# Allegro board FEE5_10_30.brd (continued)
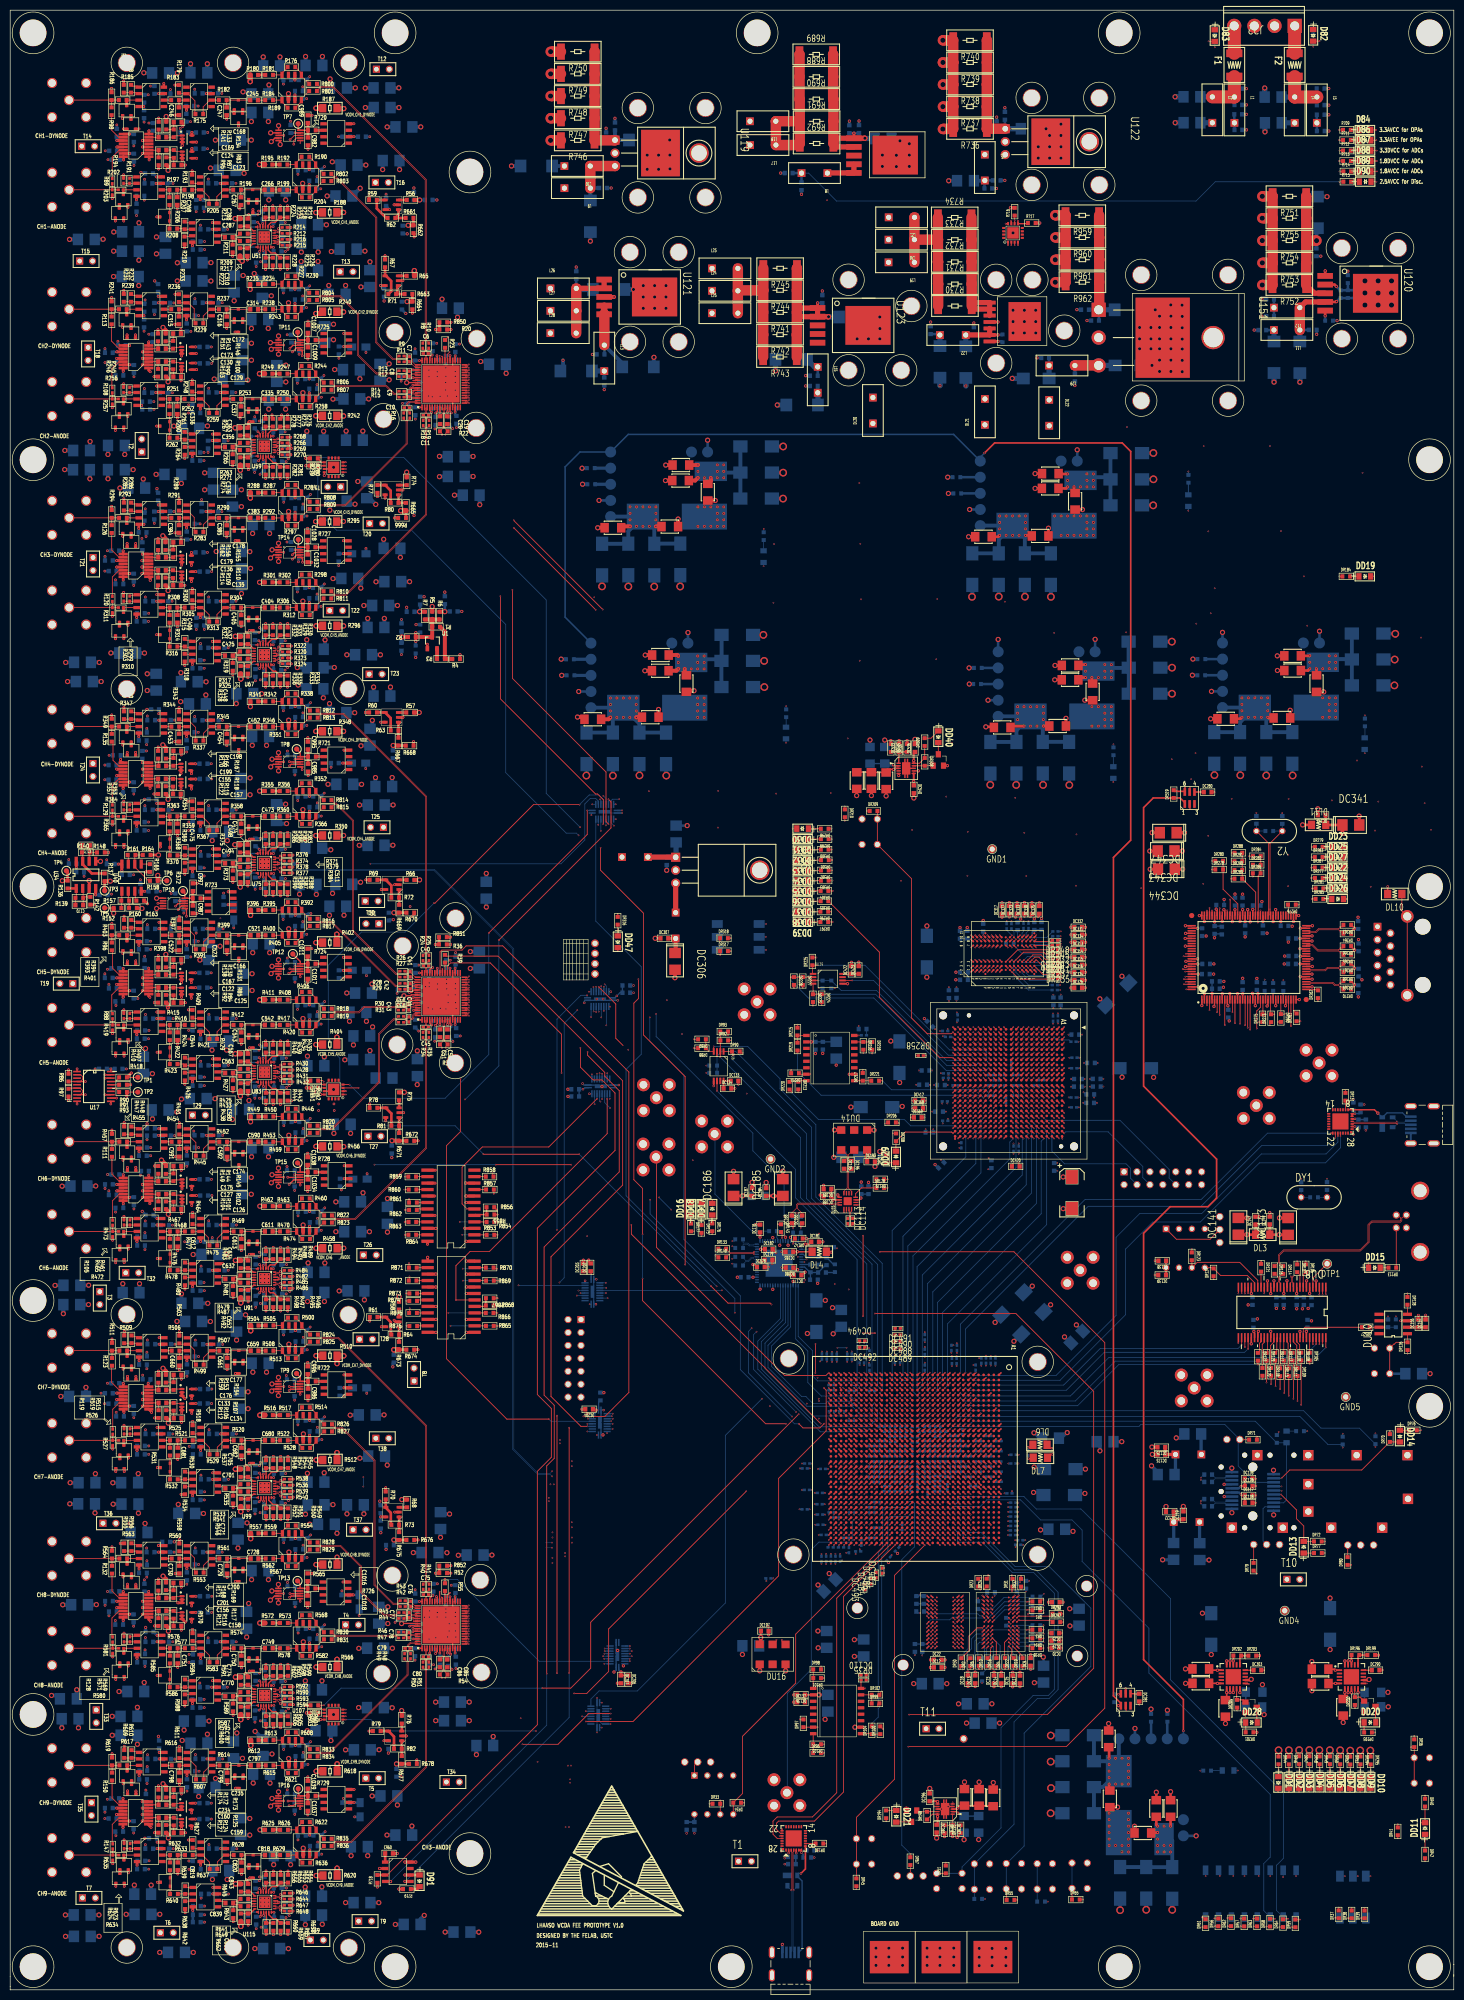
[diagram p0: board, top side]
## Nets (continued)
A7_CCLK: DR35.2 DU4.W11(CCLK_0) DU7.16(C)
A7_CLK_125M_N: DR69.2 DU4.AF5(IO_L12N_T1_MRCC_33) DU15.1(Q1)
A7_CLK_125M_P: DR69.1 DU4.AE5(IO_L12P_T1_MRCC_33) DU15.2(/Q1)
A7_CLK_200M_N: DR66.1 DU4.Y31(IO_L12N_T1_MRCC_14) DU16.4(OUT+)
A7_CLK_200M_P: DR66.2 DU4.Y30(IO_L12P_T1_MRCC_14) DU16.5(OUT-)
A7_DDR3_A0: DR15.2 DU1.K3(A0) DU2.K3(A0) DU4.U25(IO_L3P_T0_DQS_AD1P_15)
A7_DDR3_A1: DR4.2 DU1.L7(A1) DU2.L7(A1) DU4.N24(IO_L4N_T0_15)
A7_DDR3_A2: DR16.2 DU1.L3(A2) DU2.L3(A2) DU4.T28(IO_L9P_T1_DQS_AD3P_15)
A7_DDR3_A3: DR5.2 DU1.K2(A3) DU2.K2(A3) DU4.U26(IO_L5P_T0_AD9P_15)
A7_DDR3_A4: DR17.2 DU1.L8(A4) DU2.L8(A4) DU4.M32(IO_L17N_T2_A25_15)
A7_DDR3_A5: DR6.2 DU1.L2(A5) DU2.L2(A5) DU4.U27(IO_L5N_T0_AD9N_15)
A7_DDR3_A6: DR18.2 DU1.M8(A6) DU2.M8(A6) DU4.M31(IO_L15N_T2_DQS_ADV_B_15)
A7_DDR3_A7: DR7.2 DU1.M2(A7) DU2.M2(A7) DU4.T27(IO_L7P_T1_AD2P_15)
A7_DDR3_A8: DR19.2 DU1.N8(A8) DU2.N8(A8) DU4.P25(IO_L6N_T0_VREF_15)
A7_DDR3_A9: DR8.2 DU1.M3(A9) DU2.M3(A9) DU4.R28(IO_L9N_T1_DQS_AD3N_15)
A7_DDR3_A10: DR20.2 DU1.H7(A10/AP) DU2.H7(A10/AP) DU4.T25(IO_L3N_T0_DQS_AD1N_15)
A7_DDR3_A11: DR9.2 DU1.M7(A11) DU2.M7(A11) DU4.M30(IO_L15P_T2_DQS_15)
A7_DDR3_A12: DR21.2 DU1.K7(A12/BC#) DU2.K7(A12/BC#) DU4.R27(IO_L7N_T1_AD2N_15)
A7_DDR3_A13: DR10.2 DU1.N3(A13) DU2.N3(A13) DU4.R25(IO_L6P_T0_15)
A7_DDR3_A14: DR22.2 DU1.N7(A14) DU2.N7(A14) DU4.N27(IO_L8P_T1_AD10P_15)
A7_DDR3_A15: DR11.2 DU1.J7(A15) DU2.J7(A15) DU4.N28(IO_L8N_T1_AD10N_15)
A7_DDR3_BA0: DR2.2 DU1.J2(BA0) DU2.J2(BA0) DU4.R30(IO_L13P_T2_MRCC_15)
A7_DDR3_BA1: DR14.2 DU1.K8(BA1) DU2.K8(BA1) DU4.P24(IO_L4P_T0_15)
A7_DDR3_BA2: DR3.2 DU1.J3(BA2) DU2.J3(BA2) DU4.T29(IO_L11N_T1_SRCC_15)
A7_DDR3_CAS_N: DR1.2 DU1.G3(CAS#) DU2.G3(CAS#) DU4.N31(IO_L17P_T2_A26_15)
A7_DDR3_CK_N0: DR25.1 DU1.G7(CK#) DU2.G7(CK#) DU4.P26(IO_L1N_T0_AD0N_15)
A7_DDR3_CK_N1: DU4.M27(IO_L2N_T0_AD8N_15)
A7_DDR3_CK_P0: DR25.2 DU1.F7(CK) DU2.F7(CK) DU4.R26(IO_L1P_T0_AD0P_15)
A7_DDR3_CK_P1: DU4.N26(IO_L2P_T0_AD8P_15)
A7_DDR3_CKE0: DR292.1 DU1.G9(CKE0) DU2.G9(CKE0) DU4.M29(IO_L10N_T1_AD11N_15)
A7_DDR3_CKE1: DR293.1 DU1.F9(CKE1) DU2.F9(CKE1) DU4.N29(IO_L10P_T1_AD11P_15)
A7_DDR3_CS_N0: DR29.2 DU1.H2(CS#0) DU2.H2(CS#0) DU4.P30(IO_L13N_T2_MRCC_15)
A7_DDR3_CS_N1: DR30.2 DU1.H1(CS#1) DU2.H1(CS#1) DU4.U29(IO_L11P_T1_SRCC_15)
A7_DDR3_DM0: DU1.B7(DM/TDQS) DU4.K23(IO_L2P_T0_16)
A7_DDR3_DM1: DU2.B7(DM/TDQS) DU4.K32(IO_L22N_T3_16)
A7_DDR3_DQ0: DU1.B3(DQ0) DU4.L24(IO_L1N_T0_16)
A7_DDR3_DQ1: DU1.C7(DQ1) DU4.J25(IO_L4N_T0_16)
A7_DDR3_DQ2: DU1.C2(DQ2) DU4.M25(IO_L5P_T0_16)
A7_DDR3_DQ3: DU1.C8(DQ3) DU4.J24(IO_L6P_T0_16)
A7_DDR3_DQ4: DU1.E3(NF/DQ4) DU4.L25(IO_L5N_T0_16)
A7_DDR3_DQ5: DU1.E8(NF/DQ5) DU4.J23(IO_L2N_T0_16)
A7_DDR3_DQ6: DU1.D2(NF/DQ6) DU4.M24(IO_L1P_T0_16)
A7_DDR3_DQ7: DU1.E7(NF/DQ7) DU4.K25(IO_L4P_T0_16)
A7_DDR3_DQ8: DU2.B3(DQ0) DU4.H34(IO_L23N_T3_16)
A7_DDR3_DQ9: DU2.C7(DQ1) DU4.G32(IO_L19N_T3_VREF_16)
A7_DDR3_DQ10: DU2.C2(DQ2) DU4.J34(IO_L20N_T3_16)
A7_DDR3_DQ11: DU2.C8(DQ3) DU4.L32(IO_L22P_T3_16)
A7_DDR3_DQ12: DU2.E3(NF/DQ4) DU4.J33(IO_L23P_T3_16)
A7_DDR3_DQ13: DU2.E8(NF/DQ5) DU4.H32(IO_L19P_T3_16)
A7_DDR3_DQ14: DU2.D2(NF/DQ6) DU4.K33(IO_L20P_T3_16)
A7_DDR3_DQ15: DU2.E7(NF/DQ7) DU4.L33(IO_L24P_T3_16)
A7_DDR3_DQS_N0: DU1.D3(DQS#) DU4.G25(IO_L3N_T0_DQS_16)
A7_DDR3_DQS_N1: DU2.D3(DQS#) DU4.G34(IO_L21N_T3_DQS_16)
A7_DDR3_DQS_P0: DU1.C3(DQS) DU4.G24(IO_L3P_T0_DQS_16)
A7_DDR3_DQS_P1: DU2.C3(DQS) DU4.H33(IO_L21P_T3_DQS_16)
A7_DDR3_ODT0: DR27.2 DU1.G1(ODT0) DU2.G1(ODT0) DU4.U32(IO_L18N_T2_A23_15)
A7_DDR3_ODT1: DR28.2 DU1.F1(ODT1) DU2.F1(ODT1) DU4.U31(IO_L18P_T2_A24_15)
A7_DDR3_RAS_N: DR13.2 DU1.F3(RAS#) DU2.F3(RAS#) DU4.R31(IO_L16P_T2_A28_15)
A7_DDR3_RESET_N: DR26.2 DU1.N2(RESET#) DU2.N2(RESET#) DU4.U30(IO_L14P_T2_SRCC_15)
A7_DDR3_WE_N: DR12.2 DU1.H3(WE#) DU2.H3(WE#) DU4.P31(IO_L16N_T2_A27_15)
A7_DONE: DD11.2(ANODE) DR40.2 DU4.P11(DONE_0)
A7_EEPROM_IIC_SCL: DR33.2 DU3.6(SCL) DU4.AC33(IO_L15P_T2_DQS_RDWR_B_14)
A7_EEPROM_IIC_SDA: DR34.2 DU3.5(SDA) DU4.AC34(IO_L15N_T2_DQS_DOUT_CSO_)
A7_EMCCLK: DU4.Y26(IO_L3N_T0_DQS_EMCCLK_14)
A7_FLASH_D0: DR102.2 DU4.V28(IO_L1P_T0_D00_MOSI_14)
A7_FLASH_D1: DR103.1 DU4.V29(IO_L1N_T0_D01_DIN_14)
A7_FLASH_D2: DR104.2 DU4.V26(IO_L2P_T0_D02_14)
A7_FLASH_D3: DR101.1 DU4.V27(IO_L2N_T0_D03_14)
A7_HARD_RESET: DR127.2 DU4.H7(IO_L12P_T1_MRCC_36) DU8.49(RESET)
A7_INIT_B: DR41.2 DU4.V11(INIT_B_0)
A7_M0: DR37.1 DSW1.3 DU4.L22(M0_0)
A7_M1: DR38.1 DSW1.2 DU4.K22(M1_0)
A7_M2: DR39.1 DSW1.1 DU4.K21(M2_0)
A7_PHY_RESET: DU4.R6(IO_L13P_T2_MRCC_35) DU37.J20(IO_L39P_M1A3_1 _J20)
A7_PROG_B: DR36.2 DSW2.1 DSW2.2 DU4.N11(PROGRAM_B_0)
A7_PUDC_B: DR67.1 DU4.W26(IO_L3P_T0_DQS_PUDC_B_14)
A7_QSPI_IC_CS_B: DR97.1 DU4.Y27(IO_L6P_T0_FCS_B_14) DU7.7(S_B)
A7_S6_CLK: DU4.W3(IO_L10N_T1_34) DU37.P20(IO_L42P_GCLK7_M1UDM_1 _P20)
A7_S6_DATA0: DU4.V4(IO_L11P_T1_SRCC_34) DU37.N20(IO_L45P_A1_M1LDQS_1 _N20)
A7_S6_DATA1: DU4.W4(IO_L11N_T1_SRCC_34) DU37.P17(IO_L71P_1 _P17)
A7_S6_DATA2: DU4.W8(IO_L3N_T0_DQS_34) DU37.M22(IO_L44N_A2_M1DQ7_1 _M22)
A7_S6_DATA3: DU4.V7(IO_L4P_T0_34) DU37.M20(IO_L40P_GCLK11_M1A5_1 _M20)
A7_S6_DATA4: DU4.V6(IO_L4N_T0_34) DU37.M18(IO_L61N_1 _M18)
A7_S6_DATA5: DU4.Y5(IO_L12N_T1_MRCC_34) DU37.P22(IO_L46N_FOE_B_M1DQ3_1 _P22)
A7_S6_DATA6: DU4.Y7(IO_L5N_T0_34) DU37.P21(IO_L46P_FCS_B_M1DQ2_1 _P21)
A7_S6_DATA7: DU4.W6(IO_L6P_T0_34) DU37.R19(IO_L53N_VREF_1 _R19)
A7_S6_DATA8: DU4.Y6(IO_L6N_T0_VREF_34) DU37.T22(IO_L48N_M1DQ9_1 _T22)
A7_S6_DATA9: DU4.W1(IO_L7P_T1_34) DU37.N22(IO_L45N_A0_M1LDQSN_1 _N22)
A7_S6_DATA10: DU4.Y1(IO_L7N_T1_34) DU37.P18(IO_L71N_1 _P18)
A7_S6_DATA11: DU4.V2(IO_L8P_T1_34) DU37.N19(IO_L42N_GCLK6_TRDY1_M1LDM_1 _N1)
A7_S6_DATA12: DU4.V1(IO_L8N_T1_34) DU37.P19(IO_L53P_1 _P19)
A7_S6_DATA13: DU4.Y3(IO_L9P_T1_DQS_34) DU37.T18(IO_L73N_1 _T18)
A7_S6_DATA14: DU4.Y2(IO_L9N_T1_DQS_34) DU37.V20(IO_L74N_DOUT_BUSY_1 _V20)
A7_S6_DATA15: DU4.V3(IO_L10P_T1_34) DU37.M21(IO_L44P_A3_M1DQ6_1 _M21)
A7_S6_DATA16: DU37.W20(IO_L51P_M1DQ12_1 _W20)
A7_S6_DATA17: DU4.AA4(IO_L13N_T2_MRCC_34) DU37.U20(IO_L49P_M1DQ10_1 _U20)
A7_S6_DATA18: DU4.AB5(IO_L14P_T2_SRCC_34) DU37.R22(IO_L47N_LDC_M1DQ1_1 _R22)
A7_S6_DATA19: DU4.AB4(IO_L14N_T2_SRCC_34) DU37.T20(IO_L59N_1 _T20)
A7_S6_DATA20: DU4.AB2(IO_L15P_T2_DQS_34) DU37.U19(IO_L59P_1 _U19)
A7_S6_DATA21: DU4.AB1(IO_L15N_T2_DQS_34) DU37.T21(IO_L48P_HDC_M1DQ8_1 _T21)
A7_S6_DATA22: DU4.AA3(IO_L16P_T2_34) DU37.Y21(IO_L52P_M1DQ14_1 _Y21)
A7_S6_DATA23: DU4.AA2(IO_L16N_T2_34) DU37.W22(IO_L51N_M1DQ13_1 _W22)
A7_S6_DATA24: DU37.V22(IO_L50N_M1UDQSN_1 _V22)
A7_S6_DATA25: DU4.AC1(IO_L17N_T2_34) DU37.V19(IO_L74P_AWAKE_1 _V19)
A7_S6_DATA26: DU37.T17(IO_L72N_1 _T17)
A7_S6_DATA27: DU37.V21(IO_L50P_M1UDQS_1 _V21)
A7_S6_DATA28: DU4.AB6(IO_L21N_T3_DQS_34) DU37.R17(IO_L72P_1 _R17)
A7_S6_DATA29: DU4.AA7(IO_L19N_T3_VREF_34) DU37.R20(IO_L47P_FWE_B_M1DQ0_1 _R20)
A7_S6_DATA30: DU37.Y22(IO_L52N_M1DQ15_1 _Y22)
A7_S6_DATA31: DU37.U22(IO_L49N_M1DQ11_1 _U22)
A7_SFP_CLK_C_N1: DC114.1 DU4.G18(MGTREFCLK0N_216)
A7_SFP_CLK_C_N2: DU4.G20(MGTREFCLK1N_216)
A7_SFP_CLK_C_P1: DC113.1 DU4.H18(MGTREFCLK0P_216)
A7_SFP_CLK_C_P2: DU4.H20(MGTREFCLK1P_216)
A7_SFP_CLK_N: DC114.2 DU15.4(/Q2)
A7_SFP_CLK_P: DC113.2 DU15.3(Q2)
A7_SFP_LOS: DD12.2(CATHODE) DR73.1 DU4.G11(IO_L4N_T0_36) DU5.8(LOS)
A7_SFP_RX_N: DC131.2 DU4.E21(MGTPRXN0_216)
A7_SFP_RX_P: DC129.1 DU4.F21(MGTPRXP0_216)
A7_SFP_SCL: DR75.1 DU4.K10(IO_L6P_T0_36) DU5.5(SCL)
A7_SFP_SDA: DR74.1 DU4.H8(IO_L8N_T1_36) DU5.4(SDA)
A7_SFP_TX_N: DC132.1 DU4.A23(MGTPTXN0_216)
A7_SFP_TX_P: DC130.1 DU4.B23(MGTPTXP0_216)
A7_SFP_TXDISABLE: DJ4.1 DR71.1 DU4.L12(IO_L1P_T0_36) DU5.3(TX_DISABLE)
A7_TCK: DJ2.6 DU4.AE12(TCK_0)
A7_TDI: DJ2.10 DU4.AE14(TDI_0)
A7_TDO: DJ2.8 DU4.AD13(TDO_0)
A7_TMS: DJ2.4 DU4.AE13(TMS_0)
A7_USB_DATA0: DU4.G7(IO_L10P_T1_36) DU8.25(PB0/FD0)
A7_USB_DATA1: DU4.H6(IO_L12N_T1_MRCC_36) DU8.26(PB1/FD1)
A7_USB_DATA2: DU4.G6(IO_L10N_T1_36) DU8.27(PB2/FD2)
A7_USB_DATA3: DU4.J4(IO_L18P_T2_36) DU8.28(PB3/FD3)
A7_USB_DATA4: DU4.F2(IO_L15N_T2_DQS_36) DU8.29(PB4/FD4)
A7_USB_DATA5: DU4.F3(IO_L15P_T2_DQS_36) DU8.30(PB5/FD5)
A7_USB_DATA6: DU4.G4(IO_L13N_T2_MRCC_36) DU8.31(PB6/FD6)
A7_USB_DATA7: DU4.H4(IO_L17P_T2_36) DU8.32(PB7/FD7)
A7_USB_DATA8: DU4.G5(IO_L13P_T2_MRCC_36) DU8.52(PD0/FD8)
A7_USB_DATA9: DU4.J5(IO_L14N_T2_SRCC_36) DU8.53(PD1/FD9)
A7_USB_DATA10: DU4.K5(IO_L16N_T2_36) DU8.54(PD2/FD10)
A7_USB_DATA11: DU4.K6(IO_L11N_T1_SRCC_36) DU8.55(PD3/FD11)
A7_USB_DATA12: DU4.J6(IO_L14P_T2_SRCC_36) DU8.56(PD4/FD12)
A7_USB_DATA13: DU4.J11(IO_L3N_T0_DQS_36) DU8.1(PD5/FD13)
A7_USB_DATA14: DU4.L10(IO_L5P_T0_36) DU8.2(PD6/FD14)
A7_USB_DATA15: DU4.K8(IO_L9N_T1_DQS_36) DU8.3(PD7/FD15)
A7_USB_FIFOADR0: DR111.2 DU4.G10(IO_L2P_T0_36)
A7_USB_FIFOADR1: DR110.2 DU4.K11(IO_L3P_T0_DQS_36)
A7_USB_FLAGA: DR122.2 DU4.J8(IO_L7N_T1_36)
A7_USB_FLAGB: DR120.2 DU4.L9(IO_L5N_T0_36)
A7_USB_FLAGC: DR119.2 DU4.J9(IO_L7P_T1_36)
A7_USB_FLAGD: DR108.2 DU4.K12(IO_L1N_T0_36)
A7_USB_IFCLK: DU4.K7(IO_L11P_T1_SRCC_36) DU8.20(IFCLK)
A7_USB_INT0: DR118.2 DU4.J10(IO_L6N_T0_VREF_36)
A7_USB_INT1: DR117.2 DU4.G9(IO_L2N_T0_36)
A7_USB_PKTEND: DR109.2 DU4.H11(IO_L4P_T0_36)
A7_USB_SLOE: DR115.2 DU4.H9(IO_L8P_T1_36)
A7_USB_SLRD: DR106.1 DU4.J3(IO_L18N_T2_36)
A7_USB_SLWR: DR107.1 DU4.H3(IO_L17N_T2_36)
A7_USB_UART2_CTS: DU4.J1(IO_L21N_T3_DQS_36) DU12.22(CTS_B)
A7_USB_UART2_RTS: DU4.H1(IO_L22P_T3_36) DU12.23(RTS_B)
A7_USB_UART2_RX: DU4.G1(IO_L22N_T3_36) DU12.24(RXD)
A7_USB_UART2_TX: DU4.G2(IO_L20N_T3_36) DU12.25(TXD)
A7_USB_UART_CTS: DU4.Y33(IO_L10N_T1_D15_14) DU11.22(CTS_B)
A7_USB_UART_RTS: DU4.AA34(IO_L18P_T2_A12_D28_14) DU11.23(RTS_B)
A7_USB_UART_RX: DU4.AA33(IO_L16N_T2_A15_D31_14) DU11.24(RXD)
A7_USB_UART_TX: DU4.AB34(IO_L18N_T2_A11_D27_14) DU11.25(TXD)
A7_USB_WU2: DR112.2 DU4.H12(IO_0_36)
A7GNDADC: DC543.2 DC544.2 DL6.2 DU4.T17(GNDADC_0) DU4.U17(VREFN_0) DU4.V18(VREFP_0)
AD9522_CLK_TEST_N: DC168.2 DU15.15(Q0)
AD9522_CLK_TEST_P: DC166.2 DU15.16(/Q0)
AD9522_CLKIN_N: DC169.1 DU4.AM1(IO_L4N_T0_32)
AD9522_CLKIN_P: DC167.1 DU4.AL2(IO_L4P_T0_32)
AD9522_EEPROM: DU4.AE7(IO_L16N_T2_33) DU13.22(EEPROM)
AD9522_NCS: DU4.AF9(IO_L18P_T2_33) DU13.15(C\S\)
AD9522_NPD: DU4.AF12(IO_L20P_T3_33) DU13.24(P\D\)
AD9522_NRESET: DU4.AE8(IO_L16P_T2_33) DU13.23(R\E\S\E\T\)
AD9522_NSYNC: DU4.AD8(IO_L15N_T2_DQS_33) DU13.8(S\Y\N\C\)
AD9522_REF_SEL: DU4.AD9(IO_L15P_T2_DQS_33) DU13.7(REF_SEL)
AD9522_SCLK: DU4.AF8(IO_L18N_T2_33) DU13.16(SCLK/SCL)
AD9522_SDIO: DU4.AH6(IO_L17N_T2_33) DU13.17(SDIO/SDA)
AD9522_SDO: DU4.AH7(IO_L17P_T2_33) DU13.18(SDO)
AD9522_SP0: DU4.AH9(IO_L19P_T3_33) DU13.21(SP0)
AD9522_SP1: DU4.AH8(IO_L19N_T3_VREF_33) DU13.20(SP1)
ADC1_1_N: C6.2 R10.1 U2.46(VIN - B)
ADC1_1_P: C6.1 R8.1 U2.47(VIN + B)
ADC1_2_N: C7.2 R11.1 U2.50(VIN - C)
ADC1_2_P: C7.1 R9.1 U2.49(VIN + C)
ADC1_3_N: C8.2 R13.1 U2.52(VIN - D)
ADC1_3_P: C8.1 R12.1 U2.53(VIN + D)
ADC1_4_N: C9.2 R15.1 U2.61(VIN - E)
ADC1_4_P: C9.1 R14.1 U2.60(VIN + E)
ADC1_5_N: C10.2 R17.1 U2.63(VIN - F)
ADC1_5_P: C10.1 R16.1 U2.64(VIN + F)
ADC1_6_N: C11.2 R19.1 U2.3(VIN - G)
ADC1_6_P: C11.1 R18.1 U2.2(VIN + G)
ADC2_1_N: C40.2 R25.1 U3.46(VIN - B)
ADC2_1_P: C40.1 R24.1 U3.47(VIN + B)
ADC2_2_N: C41.2 R27.1 U3.50(VIN - C)
ADC2_2_P: C41.1 R26.1 U3.49(VIN + C)
ADC2_3_N: C42.2 R28.1 U3.52(VIN - D)
ADC2_3_P: C42.1 R29.1 U3.53(VIN + D)
ADC2_4_N: C43.2 R31.1 U3.61(VIN - E)
ADC2_4_P: C43.1 R30.1 U3.60(VIN + E)
ADC2_5_N: C44.2 R32.1 U3.63(VIN - F)
ADC2_5_P: C44.1 R33.1 U3.64(VIN + F)
ADC2_6_N: C45.2 R35.1 U3.3(VIN - G)
ADC2_6_P: C45.1 R34.1 U3.2(VIN + G)
ADC3_1_N: C75.2 R41.1 U4.46(VIN - B)
ADC3_1_P: C75.1 R40.1 U4.47(VIN + B)
ADC3_2_N: C76.2 R42.1 U4.50(VIN - C)
ADC3_2_P: C76.1 R43.1 U4.49(VIN + C)
ADC3_3_N: C77.2 R45.1 U4.52(VIN - D)
ADC3_3_P: C77.1 R44.1 U4.53(VIN + D)
ADC3_4_N: C78.2 R47.1 U4.61(VIN - E)
ADC3_4_P: C78.1 R46.1 U4.60(VIN + E)
ADC3_5_N: C79.2 R49.1 U4.63(VIN - F)
ADC3_5_P: C79.1 R48.1 U4.64(VIN + F)
ADC3_6_N: C80.2 R51.1 U4.3(VIN - G)
ADC3_6_P: C80.1 R50.1 U4.2(VIN + G)
ADC_N_DCO1: DU4.AL7(IO_L13N_T2_MRCC_32) U2.23(DCO -)
ADC_N_DCO2: DU4.AL29(IO_L13N_T2_MRCC_12) U3.23(DCO -)
ADC_N_DCO3: DU4.AG30(IO_L12N_T1_MRCC_13) U4.23(DCO -)
ADC_N_FCO1: DU4.AK6(IO_L12N_T1_MRCC_32) U2.25(FCO -)
ADC_N_FCO2: DU4.AM30(IO_L12N_T1_MRCC_12) U3.25(FCO -)
ADC_N_FCO3: DU4.AH29(IO_L13N_T2_MRCC_13) U4.25(FCO -)
ADC_P_DCO1: DU4.AK7(IO_L13P_T2_MRCC_32) U2.24(DCO +)
ADC_P_DCO2: DU4.AL28(IO_L13P_T2_MRCC_12) U3.24(DCO +)
ADC_P_DCO3: DU4.AG29(IO_L12P_T1_MRCC_13) U4.24(DCO +)
ADC_P_FCO1: DU4.AJ6(IO_L12P_T1_MRCC_32) U2.26(FCO +)
ADC_P_FCO2: DU4.AL30(IO_L12P_T1_MRCC_12) U3.26(FCO +)
ADC_P_FCO3: DU4.AH28(IO_L13P_T2_MRCC_13) U4.26(FCO +)
ADCIN_ANODE_N_CH1: R9.2 R802.2
ADCIN_ANODE_N_CH2: R14.2 R806.2
ADCIN_ANODE_N_CH3: R18.2 R810.2
ADCIN_ANODE_N_CH4: R26.2 R814.2
ADCIN_ANODE_N_CH5: R30.2 R818.2
ADCIN_ANODE_N_CH6: R34.2 R822.2
ADCIN_ANODE_N_CH7: R43.2 R826.2
ADCIN_ANODE_N_CH8: R46.2 R830.2
ADCIN_ANODE_N_CH9: R50.2 R835.2
ADCIN_ANODE_P_CH1: R11.2 R803.2
ADCIN_ANODE_P_CH2: R15.2 R807.2
ADCIN_ANODE_P_CH3: R19.2 R811.2
ADCIN_ANODE_P_CH4: R27.2 R815.2
ADCIN_ANODE_P_CH5: R31.2 R819.2
ADCIN_ANODE_P_CH6: R35.2 R823.2
ADCIN_ANODE_P_CH7: R42.2 R827.2
ADCIN_ANODE_P_CH8: R47.2 R831.2
ADCIN_ANODE_P_CH9: R51.2 R836.2
ADCIN_DYNODE_N_CH1: R10.2 R800.2
ADCIN_DYNODE_N_CH2: R13.2 R804.2
ADCIN_DYNODE_N_CH3: R17.2 R808.2
ADCIN_DYNODE_N_CH4: R25.2 R812.2
ADCIN_DYNODE_N_CH5: R28.2 R816.2
ADCIN_DYNODE_N_CH6: R32.2 R820.2
ADCIN_DYNODE_N_CH7: R41.2 R824.2
ADCIN_DYNODE_N_CH8: R45.2 R828.2
ADCIN_DYNODE_N_CH9: R49.2 R833.2
ADCIN_DYNODE_P_CH1: R8.2 R801.2
ADCIN_DYNODE_P_CH2: R12.2 R805.2
ADCIN_DYNODE_P_CH3: R16.2 R809.2
ADCIN_DYNODE_P_CH4: R24.2 R813.2
ADCIN_DYNODE_P_CH5: R29.2 R817.2
ADCIN_DYNODE_P_CH6: R33.2 R821.2
ADCIN_DYNODE_P_CH7: R40.2 R825.2
ADCIN_DYNODE_P_CH8: R44.2 R829.2
ADCIN_DYNODE_P_CH9: R48.2 R834.2
ADCOUT_ANODE_N_CH1: DU4.AL3(IO_L6N_T0_VREF_32) U2.29(D - C)
ADCOUT_ANODE_N_CH2: DU4.AM5(IO_L11N_T1_SRCC_32) U2.21(D - E)
ADCOUT_ANODE_N_CH3: DU4.AN11(IO_L22N_T3_32) U2.17(D - G)
ADCOUT_ANODE_N_CH4: DU4.AN27(IO_L22N_T3_12) U3.29(D - C)
ADCOUT_ANODE_N_CH5: DU4.AL27(IO_L18N_T2_12) U3.21(D - E)
ADCOUT_ANODE_N_CH6: DU4.AK32(IO_L7N_T1_12) U3.17(D - G)
ADCOUT_ANODE_N_CH7: DU4.AH24(IO_L21N_T3_DQS_13) U4.29(D - C)
ADCOUT_ANODE_N_CH8: DU4.AH32(IO_L5N_T0_13) U4.21(D - E)
ADCOUT_ANODE_N_CH9: DU4.AF30(IO_L11N_T1_SRCC_13) U4.17(D - G)
ADCOUT_ANODE_P_CH1: DU4.AK3(IO_L6P_T0_32) U2.30(D + C)
ADCOUT_ANODE_P_CH2: DU4.AL5(IO_L11P_T1_SRCC_32) U2.22(D + E)
ADCOUT_ANODE_P_CH3: DU4.AM11(IO_L22P_T3_32) U2.18(D + G)
ADCOUT_ANODE_P_CH4: DU4.AM27(IO_L22P_T3_12) U3.30(D + C)
ADCOUT_ANODE_P_CH5: DU4.AK27(IO_L18P_T2_12) U3.22(D + E)
ADCOUT_ANODE_P_CH6: DU4.AJ31(IO_L7P_T1_12) U3.18(D + G)
ADCOUT_ANODE_P_CH7: DU4.AG24(IO_L21P_T3_DQS_13) U4.30(D + C)
ADCOUT_ANODE_P_CH8: DU4.AG32(IO_L5P_T0_13) U4.22(D + E)
ADCOUT_ANODE_P_CH9: DU4.AF29(IO_L11P_T1_SRCC_13) U4.18(D + G)
ADCOUT_DYNODE_N_CH1: DU4.AN2(IO_L3N_T0_DQS_32) U2.31(D - B)
ADCOUT_DYNODE_N_CH2: DU4.AM4(IO_L10N_T1_32) U2.27(D - D)
ADCOUT_DYNODE_N_CH3: DU4.AK11(IO_L23N_T3_32) U2.19(D - F)
ADCOUT_DYNODE_N_CH4: DU4.AN26(IO_L21N_T3_DQS_12) U3.31(D - B)
ADCOUT_DYNODE_N_CH5: DU4.AP31(IO_L10N_T1_12) U3.27(D - D)
ADCOUT_DYNODE_N_CH6: DU4.AN32(IO_L8N_T1_12) U3.19(D - F)
ADCOUT_DYNODE_N_CH7: DU4.AF23(IO_L20N_T3_13) U4.31(D - B)
ADCOUT_DYNODE_N_CH8: DU4.AG25(IO_L23N_T3_13) U4.27(D - D)
ADCOUT_DYNODE_N_CH9: DU4.AG34(IO_L1N_T0_13) U4.19(D - F)
ADCOUT_DYNODE_P_CH1: DU4.AM2(IO_L3P_T0_DQS_32) U2.32(D + B)
ADCOUT_DYNODE_P_CH2: DU4.AL4(IO_L10P_T1_32) U2.28(D + D)
ADCOUT_DYNODE_P_CH3: DU4.AJ11(IO_L23P_T3_32) U2.20(D + F)
ADCOUT_DYNODE_P_CH4: DU4.AM26(IO_L21P_T3_DQS_12) U3.32(D + B)
ADCOUT_DYNODE_P_CH5: DU4.AN31(IO_L10P_T1_12) U3.28(D + D)
ADCOUT_DYNODE_P_CH6: DU4.AM31(IO_L8P_T1_12) U3.20(D + F)
ADCOUT_DYNODE_P_CH7: DU4.AE23(IO_L20P_T3_13) U4.32(D + B)
ADCOUT_DYNODE_P_CH8: DU4.AF25(IO_L23P_T3_13) U4.28(D + D)
ADCOUT_DYNODE_P_CH9: DU4.AF34(IO_L1P_T0_13) U4.20(D + F)
BCLK: DJ12.1(IO) DR132.1
BYPASS: DC171.1 DC172.2 DC173.2 DC174.1 DU13.10(BYPASS)
CALIB_ANODE_AMP_CH1-4: R87.2 R99.2 R109.1 R115.2 R136.1 TP4.1(TP)
CALIB_ANODE_AMP_CH5-9: R84.2 R101.2 R106.2 R116.2 R124.2 R137.2 TP3.1(TP)
CALIB_BEGIN: R97.2 U17.6(1A3) U17.8(1A4)
CALIB_BEGIN_BUF: DU4.AB26(IO_L21P_T3_DQS_14) DU21.11(2A0)
CALIB_BEGIN_INTERFACE_TO_AFE: DU21.9(2Y0)
CALIB_BGN_CH1-4: R90.1 TP1.1(TP) U15.4(OE) U20.4(OE) U24.4(OE) U27.4(OE) U32.4(OE) U37.4(OE) U38.4(OE) U41.4(OE)
CALIB_BGN_CH5-9: R93.2 TP2.1(TP) U16.4(OE) U19.4(OE) U21.4(OE) U25.4(OE) U29.4(OE) U33.4(OE) U35.4(OE) U39.4(OE) U42.4(OE) U43.4(OE)
CALIB_DYNODE_AMP_CH1-4: R133.2 R143.2 R152.1 R156.1 R166.2 TP5.1(TP)
CALIB_DYNODE_AMP_CH5-9: R130.2 R144.2 R153.2 R158.2 R168.2 R172.2 TP6.1(TP)
CALIB_ENB: DU21.12(1Y3)
CALIB_ENB_BUF: DU4.AB27(IO_L21N_T3_DQS_A06_D22_1) DU21.8(1A3)
CALIB_ENB_CH1-4: U17.18(1Y1) U18.1(\\E\N\) U22.1(\\E\N\) U28.1(\\E\N\) U30.1(\\E\N\)
CALIB_ENB_CH5-9: U14.1(\\E\N\) U17.12(1Y4) U23.1(\\E\N\) U26.1(\\E\N\) U31.1(\\E\N\) U36.1(\\E\N\)
CALIB_END: R86.1 U17.2(1A1) U17.4(1A2)
CALIB_VREF_ANODE: U34.3(1IN+) U34.5(2IN+) U131.1(VOUTA)
CALIB_VREF_DYNODE: R160.1 R164.2 U131.5(VOUTD)
CALIBPULSE_ANODE_CH1: J5.1(CENTER) R89.2 R202.1 R203.1
CALIBPULSE_ANODE_CH2: J7.1(CENTER) R108.2 R256.1 R257.1
CALIBPULSE_ANODE_CH3: J9.1(CENTER) R120.2 R310.1 R311.1
CALIBPULSE_ANODE_CH4: J11.1(CENTER) R129.2 R364.1 R365.1
CALIBPULSE_ANODE_CH5: J13.1(CENTER) R88.2 R418.1 R419.1
CALIBPULSE_ANODE_CH6: J15.1(CENTER) R105.2 R472.1 R473.1
CALIBPULSE_ANODE_CH7: J17.1(CENTER) R119.2 R526.1 R527.1
CALIBPULSE_ANODE_CH8: J19.1(CENTER) R128.2 R580.1 R581.1
CALIBPULSE_ANODE_CH9: J21.1(CENTER) R147.2 R634.1 R635.1
CALIBPULSE_DYNODE_CH1: J4.1(CENTER) R98.2 R185.1 R186.1
CALIBPULSE_DYNODE_CH2: J6.1(CENTER) R113.2 R239.1 R241.1
CALIBPULSE_DYNODE_CH3: J8.1(CENTER) R126.2 R293.1 R294.1
CALIBPULSE_DYNODE_CH4: J10.1(CENTER) R135.2 R347.1 R349.1
CALIBPULSE_DYNODE_CH5: J12.1(CENTER) R96.2 R401.1 R403.1
CALIBPULSE_DYNODE_CH6: J14.1(CENTER) R111.2 R455.1 R457.1
CALIBPULSE_DYNODE_CH7: J16.1(CENTER) R123.2 R509.1 R511.1
CALIBPULSE_DYNODE_CH8: J18.1(CENTER) R132.2 R563.1 R564.1
CALIBPULSE_DYNODE_CH9: J20.1(CENTER) R150.2 R617.1 R619.1
CLK125_N: DC196.2 DU15.9(/IN)
CLK125_P: DC195.2 DU15.12(IN)
CLK_125M_N: DC196.1 DU14.5(OUT-)
CLK_125M_P: DC195.1 DU14.4(OUT+)
CLKIN+: DU13.13(CLK)
CLKIN-: DU13.14(C\L\K\)
CP: DC171.2 DR173.1 DR174.2 DU13.5(CP)
CPU_RESET: DR45.1 DSW3.1 DSW3.2 DU4.T34(IO_L23N_T3_FWE_B_15)
CSB_ADC1: DU17.14(1Y2) U2.40(CSB)
CSB_ADC1_BUF: DU4.W24(IO_25_14) DU17.6(1A2)
CSB_ADC2: DU20.16(1Y1) U3.40(CSB)
CSB_ADC2_BUF: DU4.Y28(IO_L6N_T0_D08_VREF_14) DU20.4(1A1)
CSB_ADC3: DU24.5(2Y2) U4.40(CSB)
CSB_ADC3_BUF: DU4.W31(IO_L11N_T1_SRCC_14) DU24.15(2A2)
DIN_DAC1: R876.2 U128.8(DIN)
DIN_DAC1_INTERFACE_TO_AFE: DU17.7(2Y1)
DIN_DAC2: R875.2 U136.8(DIN)
DIN_DAC3: R874.2 U142.8(DIN)
DIN_DAC4: R873.2 U129.8(DIN)
DIN_DAC5: R872.2 U137.8(DIN)
DIN_DAC6: R871.2 U143.8(DIN)
DIN_DAC7: R870.1 U130.8(DIN)
DIN_DAC8: R869.1 U138.8(DIN)
DIN_DAC9: R866.1 U144.8(DIN)
DIN_DAC_BUF: DU17.13(2A1) U149.6(A)
DIN_DAC_BUF_A7_FPGA: DU4.W25(IO_L5P_T0_D06_14)
DIN_DAC_CALIB: R865.1 U131.8(DIN)
DMINUS: DJ8.2 DR116.1
DPLUS: DJ8.3 DR114.1
GMII_MDC: DU4.T5(IO_L14P_T2_SRCC_35) DU37.L20(IO_L43P_GCLK5_M1DQ4_1 _L20)
GMII_MDIO_I: DU4.R3(IO_L15P_T2_DQS_35) DU37.H22(IO_L37N_A6_M1A1_1 _H22)
GMII_MDIO_O: DU4.T4(IO_L14N_T2_SRCC_35) DU37.H18(IO_L30P_A21_M1RESET_1 _H18)
GMII_MDIO_T: DU4.R5(IO_L13N_T2_MRCC_35) DU37.H21(IO_L37P_A7_M1A0_1 _H21)
GMII_RX_CLK: DU4.N4(IO_L12N_T1_MRCC_35) DU37.K21(IO_L41P_GCLK9_IRDY1_M1RASN_1 _K)
GMII_RX_COL: DU4.U6(IO_L22N_T3_35) DU37.L22(IO_L43N_GCLK4_M1DQ5_1 _L22)
GMII_RX_CRS: DU4.P6(IO_L6P_T0_35) DU37.G20(IO_L35P_A11_M1A7_1 _G20)
GMII_RX_DV: DU4.U7(IO_L22P_T3_35) DU37.L19(IO_L38N_A4_M1CLKN_1 _L19)
GMII_RX_ER: DU4.N6(IO_L6N_T0_VREF_35) DU37.G22(IO_L35N_A10_M1A2_1 _G22)
GMII_RXD0: DU4.R2(IO_L15N_T2_DQS_35) DU37.K19(IO_L34P_A13_M1WE_1 _K19)
GMII_RXD1: DU4.U2(IO_L16P_T2_35) DU37.K16(IO_L21N_1 _K16)
GMII_RXD2: DU4.U1(IO_L16N_T2_35) DU37.K18(IO_L34N_A12_M1BA2_1 _K18)
GMII_RXD3: DU4.T3(IO_L17P_T2_35) DU37.K20(IO_L38P_A5_M1CLK_1 _K20)
GMII_RXD4: DU4.T2(IO_L17N_T2_35) DU37.K17(IO_L36P_A9_M1BA0_1 _K17)
GMII_RXD5: DU4.U5(IO_L18P_T2_35) DU37.L17(IO_L36N_A8_M1BA1_1 _L17)
GMII_RXD6: DU4.U4(IO_L18N_T2_35) DU37.J22(IO_L39N_M1ODT_1 _J22)
GMII_RXD7: DU4.M6(IO_L1N_T0_AD4N_35) DU37.F19(IO_L1N_A24_VREF_1 _F19)
GMII_TX_CLK: DU4.P5(IO_L12P_T1_MRCC_35) DU37.G19(IO_L29P_A23_M1A13_1 _G19)
GMII_TX_EN: DU4.M1(IO_L7N_T1_AD6N_35) DU37.D21(IO_L28P_1 _D21)
GMII_TX_ER: DU4.N1(IO_L7P_T1_AD6P_35) DU37.F20(IO_L29N_A22_M1A14_1 _F20)
GMII_TXD0: DU4.M5(IO_L8P_T1_AD14P_35) DU37.C22(IO_L20N_1 _C22)
GMII_TXD1: DU4.M4(IO_L8N_T1_AD14N_35) DU37.E20(IO_L32P_A17_M1A8_1 _E20)
GMII_TXD2: DU4.R1(IO_L9P_T1_DQS_AD7P_35) DU37.H20(IO_L33N_A14_M1A4_1 _H20)
GMII_TXD3: DU4.P1(IO_L9N_T1_DQS_AD7N_35) DU37.F21(IO_L31P_A19_M1CKE_1 _F21)
GMII_TXD4: DU4.N3(IO_L10P_T1_AD15P_35) DU37.E22(IO_L32N_A16_M1A9_1 _E22)
GMII_TXD5: DU4.N2(IO_L10N_T1_AD15N_35) DU37.D22(IO_L28N_VREF_1 _D22)
GMII_TXD6: DU4.P4(IO_L11P_T1_SRCC_35) DU37.F22(IO_L31N_A18_M1A12_1 _F22)
GMII_TXD7: DU4.P3(IO_L11N_T1_SRCC_35) DU37.H19(IO_L30N_A20_M1A11_1 _H19)
H_ALARM: D91.1(ANODE) DU44.11(2A0) U126.6(AL_L)
H_ALARM_BUF: DU4.AH2(IO_L3P_T0_DQS_33) DU44.9(2Y0)
H_MISO: DU44.17(2A3) U126.5(MISO)
H_MISO_BUF: DU4.AG2(IO_L5N_T0_33) DU44.3(2Y3)
H_SCLK: DU44.15(2A2) U126.4(SCLK)
H_SCLK_BUF: DU4.AF3(IO_L5P_T0_33) DU44.5(2Y2)
H_SS: DU44.13(2A1) R718.2 U126.3(SS)
H_SS_BUF: DU4.AF2(IO_L4N_T0_33) DU44.7(2Y1)
HIGH_THRESHOLD_CH1: R222.2 U128.5(VOUTD)
HIGH_THRESHOLD_CH2: R274.2 U136.5(VOUTD)
HIGH_THRESHOLD_CH3: R328.2 U142.5(VOUTD)
HIGH_THRESHOLD_CH4: R384.2 U129.5(VOUTD)
HIGH_THRESHOLD_CH5: R438.2 U137.5(VOUTD)
HIGH_THRESHOLD_CH6: R492.2 U143.5(VOUTD)
HIGH_THRESHOLD_CH7: R546.2 U130.5(VOUTD)
HIGH_THRESHOLD_CH8: R600.2 U138.5(VOUTD)
HIGH_THRESHOLD_CH9: R652.2 U144.5(VOUTD)
HWSPN: DR205.2 DU37.C3(IO_L1P_HSWAPEN_0 _C3)
LD: DC170.2 DD17.2(CATHODE) DR152.2
LEA_H_N1: R227.1 R228.2 U51.16(\\L\E\B)
LEA_H_N2: R281.1 R282.2 U59.16(\\L\E\B)
LEA_H_N3: R335.1 R336.2 U67.16(\\L\E\B)
LEA_H_N4: R389.1 R390.2 U75.16(\\L\E\B)
LEA_H_N5: R443.1 R444.2 U83.16(\\L\E\B)
LEA_H_N6: R497.1 R498.2 U91.16(\\L\E\B)
LEA_H_N7: R551.1 R552.2 U99.16(\\L\E\B)
LEA_H_N8: R605.1 R606.2 U107.16(\\L\E\B)
LEA_H_N9: R659.1 R660.2 U115.16(\\L\E\B)
LEA_H_P1: R225.1 R226.2 U51.17(LEB)
LEA_H_P2: R279.1 R280.2 U59.17(LEB)
LEA_H_P3: R333.1 R334.2 U67.17(LEB)
LEA_H_P4: R387.1 R388.2 U75.17(LEB)
LEA_H_P5: R441.1 R442.2 U83.17(LEB)
LEA_H_P6: R495.1 R496.2 U91.17(LEB)
LEA_H_P7: R549.1 R550.2 U99.17(LEB)
LEA_H_P8: R603.1 R604.2 U107.17(LEB)
LEA_H_P9: R657.1 R658.2 U115.17(LEB)
LEA_L_N1: R223.1 R224.2 U51.3(\\L\E\A)
LEA_L_N2: R277.1 R278.2 U59.3(\\L\E\A)
LEA_L_N3: R331.1 R332.2 U67.3(\\L\E\A)
LEA_L_N4: R385.1 R386.2 U75.3(\\L\E\A)
LEA_L_N5: R439.1 R440.2 U83.3(\\L\E\A)
LEA_L_N6: R493.1 R494.2 U91.3(\\L\E\A)
LEA_L_N7: R547.1 R548.2 U99.3(\\L\E\A)
LEA_L_N8: R601.1 R602.2 U107.3(\\L\E\A)
LEA_L_N9: R655.1 R656.2 U115.3(\\L\E\A)
LEA_L_P1: R218.1 R219.2 U51.2(LEA)
LEA_L_P2: R275.1 R276.2 U59.2(LEA)
LEA_L_P3: R329.1 R330.2 U67.2(LEA)
LEA_L_P4: R382.1 R383.2 U75.2(LEA)
LEA_L_P5: R434.1 R435.2 U83.2(LEA)
LEA_L_P6: R488.1 R489.2 U91.2(LEA)
LEA_L_P7: R544.1 R545.2 U99.2(LEA)
LEA_L_P8: R598.1 R599.2 U107.2(LEA)
LEA_L_P9: R653.1 R654.2 U115.2(LEA)
LED1_A7_FPGA: DR44.1 DU4.U11(IO_25_35)
LED1_S6_FPGA: DR298.1 DU37.AB4(IO_L63N_2 _AB4)
LED2_A7_FPGA: DR46.1 DU4.U9(IO_L24P_T3_35)
LED2_S6_FPGA: DR299.1 DU37.AA4(IO_L63P_2 _AA4)
LED3_A7_FPGA: DR47.1 DU4.T9(IO_L24N_T3_35)
LED3_S6_FPGA: DR300.1 DU37.AB5(IO_L62N_D6_2 _AB5)
LED4_A7_FPGA: DR48.1 DU4.T7(IO_L23N_T3_35)
LED4_S6_FPGA: DR301.1 DU37.Y5(IO_L62P_D5_2 _Y5)
LED5_A7_FPGA: DR49.1 DU4.R10(IO_L20P_T3_35)
LED5_S6_FPGA: DR302.1 DU37.U6(IO_L64N_D9_2 _U6)
LED6_A7_FPGA: DR50.1 DU4.R7(IO_L19N_T3_VREF_35)
LED6_S6_FPGA: DR303.1 DU37.Y6(IO_L60N_2 _Y6)
LED7_A7_FPGA: DR52.1 DU4.P8(IO_L5N_T0_AD13N_35)
LED7_S6_FPGA: DR304.1 DU37.T7(IO_L64P_D8_2 _T7)
LED8_A7_FPGA: DR53.1 DU4.P10(IO_L20N_T3_35)
LED8_S6_FPGA: DR305.1 DU37.AB7(IO_L47N_2 _AB7)
LED9_A7_FPGA: DR294.1 DU4.N7(IO_L3N_T0_DQS_AD5N_35)
LED9_S6_FPGA: DR296.1 DU37.T8(IO_L57P_2 _T8)
LED10_A7_FPGA: DR295.1 DU4.N8(IO_L3P_T0_DQS_AD5P_35)
LED10_S6_FPGA: DR297.1 DU37.Y8(IO_L48N_RDWR_B_VREF_2 _Y8)
LF: DC172.1 DR173.2 DU13.9(LF)
LOW_THRESHOLD_CH1: R213.2 U128.4(VOUTC)
LOW_THRESHOLD_CH2: R267.2 U136.4(VOUTC)
LOW_THRESHOLD_CH3: R321.2 U142.4(VOUTC)
LOW_THRESHOLD_CH4: R375.2 U129.4(VOUTC)
LOW_THRESHOLD_CH5: R429.2 U137.4(VOUTC)
LOW_THRESHOLD_CH6: R483.2 U143.4(VOUTC)
LOW_THRESHOLD_CH7: R537.2 U130.4(VOUTC)
LOW_THRESHOLD_CH8: R591.2 U138.4(VOUTC)
LOW_THRESHOLD_CH9: R645.2 U144.4(VOUTC)
LVDS_ADC1_CLK: C19.2 DR164.1 R22.1
LVDS_ADC2_CLK: C50.2 DR133.1 R38.1
LVDS_ADC3_CLK: C85.2 DR145.1 R54.1
MGTAVCC: DC60.1 DC61.1 DC62.1 DC63.1 DC68.1 DC75.1 DC76.1 DC77.1 DC78.1 DC288.1 DC289.1 DR196.1 DU4.F14(MGTAVCC_G11_1) DU4.F16(MGTAVCC_G11_2) DU4.F18(MGTAVCC_G11_3) DU4.F20(MGTAVCC_G11_4) DU4.H15(MGTAVCC_G11_5) DU4.H17(MGTAVCC_G11_6) DU4.H19(MGTAVCC_G11_7) DU4.H21(MGTAVCC_G11_8) DU33.1(OUT1) DU33.18(OUT2) DU33.19(OUT3) DU33.20(OUT4)
MGTAVTT: DC91.1 DC92.1 DC93.1 DC94.1 DC95.1 DC96.1 DC97.1 DC98.1 DC99.1 DC100.1 DC101.1 DC102.1 DC103.1 DC301.1 DC302.1 DR68.1 DR202.1 DU4.B14(MGTAVTT_G11_1) DU4.B16(MGTAVTT_G11_2) DU4.B18(MGTAVTT_G11_3) DU4.B20(MGTAVTT_G11_4) DU4.B22(MGTAVTT_G11_5) DU4.D13(MGTAVTT_G11_6) DU4.D15(MGTAVTT_G11_7) DU4.D17(MGTAVTT_G11_8) DU4.D19(MGTAVTT_G11_9) DU4.D21(MGTAVTT_G11_10) DU4.F22(MGTAVTT_G11_11) DU35.1(OUT1) DU35.18(OUT2) DU35.19(OUT3) DU35.20(OUT4)